# KiCad board BeavisUltrasoundPnp.kicad_pcb (continued)
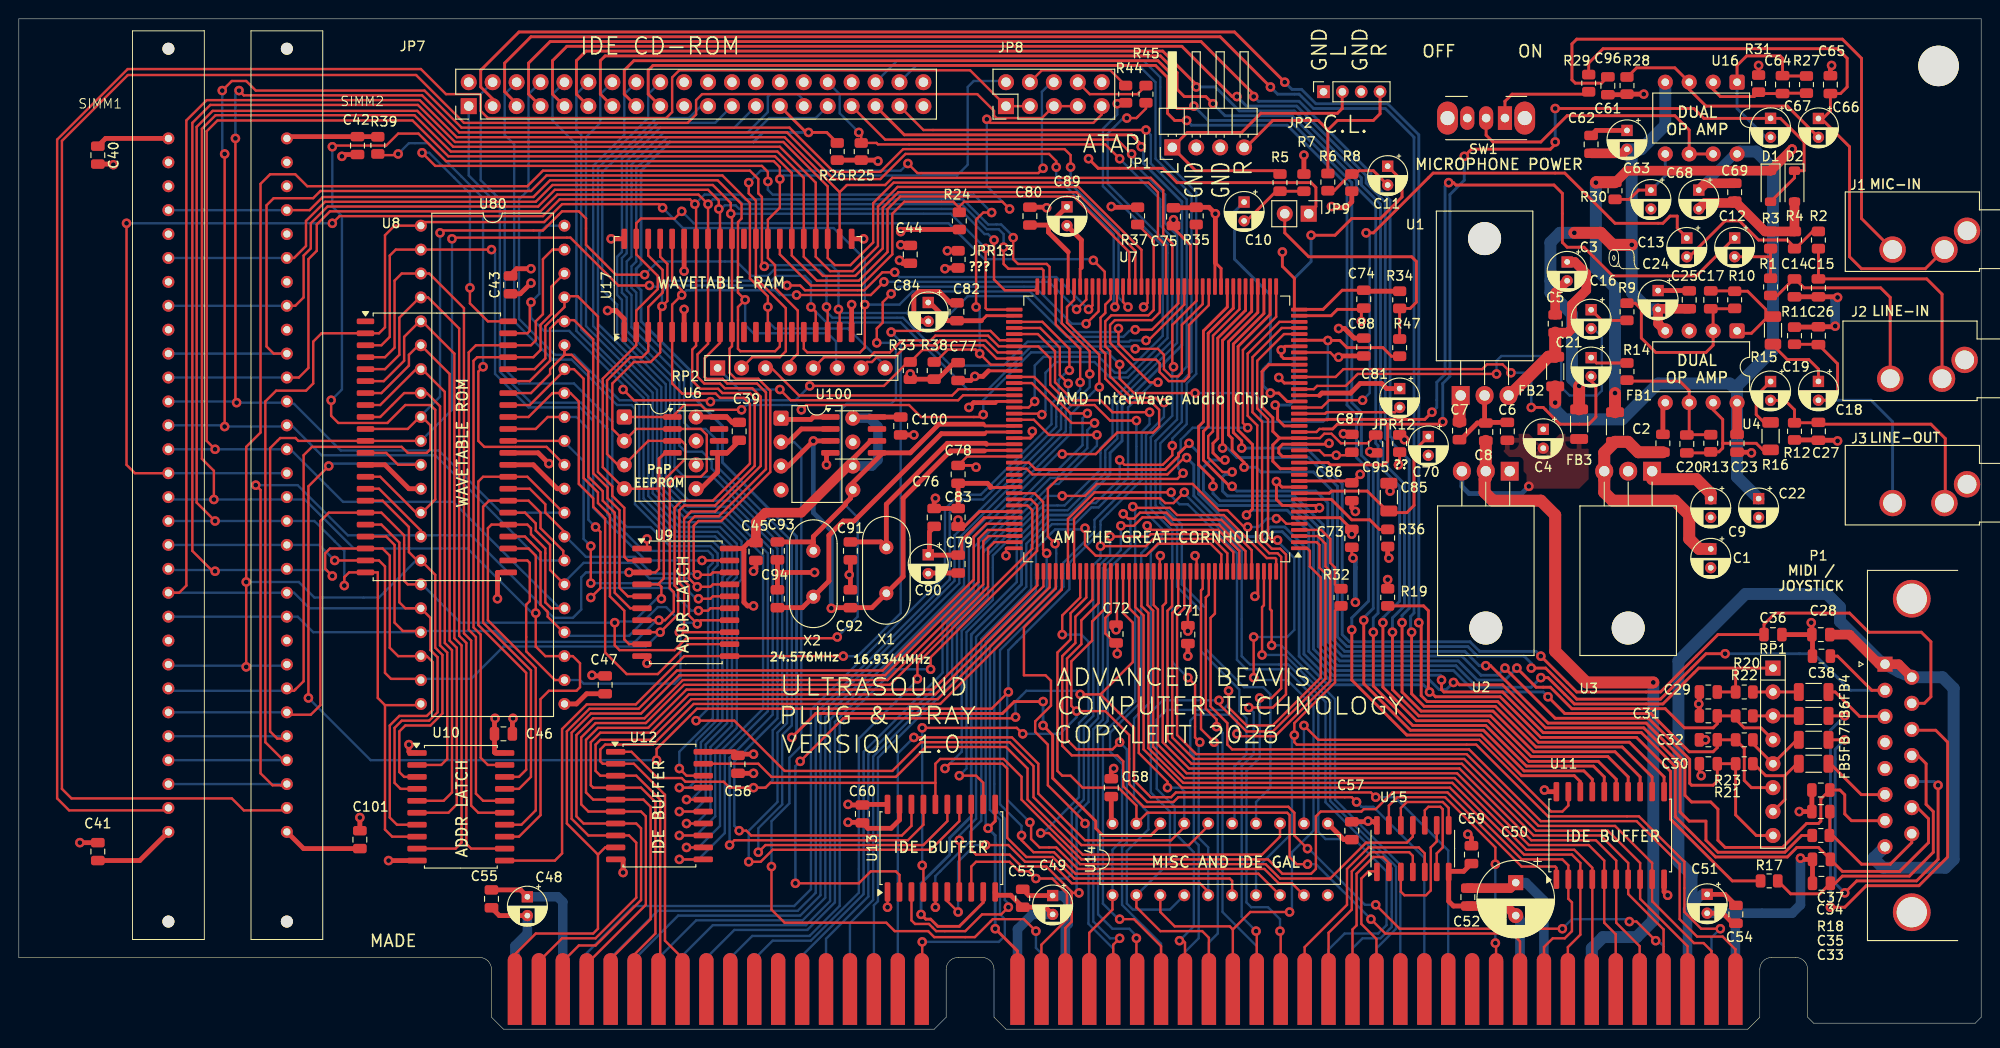
[diagram p0: board, top side]
## Footprints (pads in the part's own frame, mm; a bottom-side part is the same pattern mirrored in y, then rotated) (continued)
PinSocket_1x04_P2.00mm_Vertical
  rect 1.35x1.35 hole 0.8: 1(0,0)
  round 1.35 hole 0.8: 2(0,-2) 3(0,-4) 4(0,-6)
PQFP-160_28x28mm_P0.65mm
  rrect 1.75x0.4 smd: 1(-15.125,12.675) 2(-15.125,12.025) 3(-15.125,11.375) 4(-15.125,10.725) 5(-15.125,10.075) 6(-15.125,9.425) 7(-15.125,8.775) 8(-15.125,8.125) 9(-15.125,7.475) 10(-15.125,6.825) 11(-15.125,6.175) 12(-15.125,5.525) 13(-15.125,4.875) 14(-15.125,4.225) 15(-15.125,3.575) 16(-15.125,2.925) 17(-15.125,2.275) 18(-15.125,1.625) 19(-15.125,0.975) 20(-15.125,0.325) 21(-15.125,-0.325) 22(-15.125,-0.975) 23(-15.125,-1.625) 24(-15.125,-2.275) 25(-15.125,-2.925) 26(-15.125,-3.575) 27(-15.125,-4.225) 28(-15.125,-4.875) 29(-15.125,-5.525) 30(-15.125,-6.175) 31(-15.125,-6.825) 32(-15.125,-7.475) 33(-15.125,-8.125) 34(-15.125,-8.775) 35(-15.125,-9.425) 36(-15.125,-10.075) 37(-15.125,-10.725) 38(-15.125,-11.375) 39(-15.125,-12.025) 40(-15.125,-12.675) 81(15.125,-12.675) 82(15.125,-12.025) 83(15.125,-11.375) 84(15.125,-10.725) 85(15.125,-10.075) 86(15.125,-9.425) 87(15.125,-8.775) 88(15.125,-8.125) 89(15.125,-7.475) 90(15.125,-6.825) 91(15.125,-6.175) 92(15.125,-5.525) 93(15.125,-4.875) 94(15.125,-4.225) 95(15.125,-3.575) 96(15.125,-2.925) 97(15.125,-2.275) 98(15.125,-1.625) 99(15.125,-0.975) 100(15.125,-0.325) 101(15.125,0.325) 102(15.125,0.975) 103(15.125,1.625) 104(15.125,2.275) 105(15.125,2.925) 106(15.125,3.575) 107(15.125,4.225) 108(15.125,4.875) 109(15.125,5.525) 110(15.125,6.175) 111(15.125,6.825) 112(15.125,7.475) 113(15.125,8.125) 114(15.125,8.775) 115(15.125,9.425) 116(15.125,10.075) 117(15.125,10.725) 118(15.125,11.375) 119(15.125,12.025) 120(15.125,12.675)
  rrect 0.4x1.75 smd: 41(-12.675,-15.125) 42(-12.025,-15.125) 43(-11.375,-15.125) 44(-10.725,-15.125) 45(-10.075,-15.125) 46(-9.425,-15.125) 47(-8.775,-15.125) 48(-8.125,-15.125) 49(-7.475,-15.125) 50(-6.825,-15.125) 51(-6.175,-15.125) 52(-5.525,-15.125) 53(-4.875,-15.125) 54(-4.225,-15.125) 55(-3.575,-15.125) 56(-2.925,-15.125) 57(-2.275,-15.125) 58(-1.625,-15.125) 59(-0.975,-15.125) 60(-0.325,-15.125) 61(0.325,-15.125) 62(0.975,-15.125) 63(1.625,-15.125) 64(2.275,-15.125) 65(2.925,-15.125) 66(3.575,-15.125) 67(4.225,-15.125) 68(4.875,-15.125) 69(5.525,-15.125) 70(6.175,-15.125) 71(6.825,-15.125) 72(7.475,-15.125) 73(8.125,-15.125) 74(8.775,-15.125) 75(9.425,-15.125) 76(10.075,-15.125) 77(10.725,-15.125) 78(11.375,-15.125) 79(12.025,-15.125) 80(12.675,-15.125) 121(12.675,15.125) 122(12.025,15.125) 123(11.375,15.125) 124(10.725,15.125) 125(10.075,15.125) 126(9.425,15.125) 127(8.775,15.125) 128(8.125,15.125) 129(7.475,15.125) 130(6.825,15.125) 131(6.175,15.125) 132(5.525,15.125) 133(4.875,15.125) 134(4.225,15.125) 135(3.575,15.125) 136(2.925,15.125) 137(2.275,15.125) 138(1.625,15.125) 139(0.975,15.125) 140(0.325,15.125) 141(-0.325,15.125) 142(-0.975,15.125) 143(-1.625,15.125) 144(-2.275,15.125) 145(-2.925,15.125) 146(-3.575,15.125) 147(-4.225,15.125) 148(-4.875,15.125) 149(-5.525,15.125) 150(-6.175,15.125) 151(-6.825,15.125) 152(-7.475,15.125) 153(-8.125,15.125) 154(-8.775,15.125) 155(-9.425,15.125) 156(-10.075,15.125) 157(-10.725,15.125) 158(-11.375,15.125) 159(-12.025,15.125) 160(-12.675,15.125)
R_0805_2012Metric
  rrect 1.025x1.4 smd: 1(-0.912,0) 2(0.912,0)
R_1206_3216Metric
  rrect 1.125x1.75 smd: 1(-1.462,0) 2(1.462,0)
R_Array_SIP8
  rect 1.6x1.6 hole 0.8: 1(0,0)
  round 1.6 hole 0.8: 2(2.54,0) 3(5.08,0) 4(7.62,0) 5(10.16,0) 6(12.7,0) 7(15.24,0) 8(17.78,0)
SIMM_SLOT1
  round 1.27 hole 2.286 unplated: (-9.525,0)
  round 1.27 hole 2.794 unplated: (83.185,0)
  round 1.27 hole 0.762: 1(0,0) 2(2.54,0) 3(5.08,0) 4(7.62,0) 5(10.16,0) 6(12.7,0) 7(15.24,0) 8(17.78,0) 9(20.32,0) 10(22.86,0) 11(25.4,0) 12(27.94,0) 13(30.48,0) 14(33.02,0) 15(35.56,0) 16(38.1,0) 17(40.64,0) 18(43.18,0) 19(45.72,0) 20(48.26,0) 21(50.8,0) 22(53.34,0) 23(55.88,0) 24(58.42,0) 25(60.96,0) 26(63.5,0) 27(66.04,0) 28(68.58,0) 29(71.12,0) 30(73.66,0)
SO-14_3.9x8.65mm_P1.27mm
  rrect 1.95x0.6 smd: 1(-2.475,3.81) 2(-2.475,2.54) 3(-2.475,1.27) 4(-2.475,0) 5(-2.475,-1.27) 6(-2.475,-2.54) 7(-2.475,-3.81) 8(2.475,-3.81) 9(2.475,-2.54) 10(2.475,-1.27) 11(2.475,0) 12(2.475,1.27) 13(2.475,2.54) 14(2.475,3.81)
SOIC-8_3.9x4.9mm_P1.27mm
  rrect 1.95x0.6 smd: 1(-2.475,1.905) 2(-2.475,0.635) 3(-2.475,-0.635) 4(-2.475,-1.905) 5(2.475,-1.905) 6(2.475,-0.635) 7(2.475,0.635) 8(2.475,1.905)
SOIC-20W_7.5x12.8mm_P1.27mm
  rrect 2.05x0.6 smd: 1(-4.65,5.715) 2(-4.65,4.445) 3(-4.65,3.175) 4(-4.65,1.905) 5(-4.65,0.635) 6(-4.65,-0.635) 7(-4.65,-1.905) 8(-4.65,-3.175) 9(-4.65,-4.445) 10(-4.65,-5.715) 11(4.65,-5.715) 12(4.65,-4.445) 13(4.65,-3.175) 14(4.65,-1.905) 15(4.65,-0.635) 16(4.65,0.635) 17(4.65,1.905) 18(4.65,3.175) 19(4.65,4.445) 20(4.65,5.715)
SOJ-40_10.16x26.1mm_P1.27mm
  rrect 2.15x0.6 smd: 1(-4.95,13.335) 2(-4.95,12.065) 3(-4.95,10.795) 4(-4.95,9.525) 5(-4.95,8.255) 6(-4.95,6.985) 7(-4.95,5.715) 8(-4.95,4.445) 9(-4.95,3.175) 10(-4.95,1.905) 11(-4.95,0.635) 12(-4.95,-0.635) 13(-4.95,-1.905) 14(-4.95,-3.175) 15(-4.95,-4.445) 16(-4.95,-5.715) 17(-4.95,-6.985) 18(-4.95,-8.255) 19(-4.95,-9.525) 20(-4.95,-10.795) 21(4.95,-10.795) 22(4.95,-9.525) 23(4.95,-8.255) 24(4.95,-6.985) 25(4.95,-5.715) 26(4.95,-4.445) 27(4.95,-3.175) 28(4.95,-1.905) 29(4.95,-0.635) 30(4.95,0.635) 31(4.95,1.905) 32(4.95,3.175) 33(4.95,4.445) 34(4.95,5.715) 35(4.95,6.985) 36(4.95,8.255) 37(4.95,9.525) 38(4.95,10.795) 39(4.95,12.065) 40(4.95,13.335)
SOP-44_13.3x28.2mm_P1.27mm
  rrect 1.85x0.6 smd: 1(-7.575,13.335) 2(-7.575,12.065) 3(-7.575,10.795) 4(-7.575,9.525) 5(-7.575,8.255) 6(-7.575,6.985) 7(-7.575,5.715) 8(-7.575,4.445) 9(-7.575,3.175) 10(-7.575,1.905) 11(-7.575,0.635) 12(-7.575,-0.635) 13(-7.575,-1.905) 14(-7.575,-3.175) 15(-7.575,-4.445) 16(-7.575,-5.715) 17(-7.575,-6.985) 18(-7.575,-8.255) 19(-7.575,-9.525) 20(-7.575,-10.795) 21(-7.575,-12.065) 22(-7.575,-13.335) 23(7.575,-13.335) 24(7.575,-12.065) 25(7.575,-10.795) 26(7.575,-9.525) 27(7.575,-8.255) 28(7.575,-6.985) 29(7.575,-5.715) 30(7.575,-4.445) 31(7.575,-3.175) 32(7.575,-1.905) 33(7.575,-0.635) 34(7.575,0.635) 35(7.575,1.905) 36(7.575,3.175) 37(7.575,4.445) 38(7.575,5.715) 39(7.575,6.985) 40(7.575,8.255) 41(7.575,9.525) 42(7.575,10.795) 43(7.575,12.065) 44(7.575,13.335)
SW_Slide_SPDT_Angled_CK_OS102011MA1Q
  oval 2.2x3.5 hole 1.5: (-2.1,0) (6.1,0)
  rect 1.5x2.5 hole 0.9: 1(0,0)
  oval 1.5x2.5 hole 0.9: 2(2,0) 3(4,0)
TO-220-3_Horizontal_TabDown
  round 3.5 hole 3.5 unplated: (2.54,16.66)
  rect 1.905x2 hole 1.1: 1(0,0)
  oval 1.905x2 hole 1.1: 2(2.54,0) 3(5.08,0)

## Nets
+5V: C28.2 C39.1 C40.1 C41.1 C42.1 C43.1 C44.1 C45.1 C46.1 C47.1 C48.1 C49.1 C51.1 C53.1 C54.1 C55.1 C56.1 C57.1 C58.1 C59.1 C60.1 C100.1 C101.1 J4.B3 J4.B29 J4.D16 JP9.1 P1.1 P1.8 P1.9 R24.1 R25.1 R26.1 R39.1 SIMM1.1 SIMM1.30 SIMM2.1 SIMM2.30 U6.8 U8.23 U8.33 U9.20 U10.20 U11.20 U12.20 U13.20 U14.20 U15.14 U17.1 U17.6 U17.20 U60.8 U80.22 U100.6 U100.8 U101.6 U101.8
+5VA: C71.1 C72.1 C73.1 C74.1 C75.1 C76.1 C77.1 C78.1 C79.1 C80.1 C81.1 C82.1 C83.1 C84.1 C86.1 C87.1 C88.1 C89.1 C90.1 D1.1 FB1.2 JPR12.1 JPR12.2 JPR13.1 JPR13.2 R19.1 R30.1 U7.6 U7.12 U7.17 U7.26 U7.33 U7.39 U7.55 U7.75 U7.82 U7.91 U7.105 U7.114 U7.115 U7.134 U7.146
+8V: C22.1 C23.2 C68.1 C69.1 FB2.2 U4.8 U16.8
+12V: C7.2 C9.1 C50.1 C52.1 J4.B9 U1.1 U3.1
-8V: C24.2 C25.2 C61.2 C62.2 FB3.1 U4.4 U16.4
-12V: C8.2 J4.B7 U2.2
GND: C1.2 C2.2 C3.2 C4.1 C5.2 C6.2 C7.1 C8.1 C9.2 C14.2 C15.2 C22.2 C23.1 C24.1 C25.1 C26.1 C27.1 C28.1 C29.1 C30.1 C31.1 C32.1 C33.1 C34.1 C35.1 C36.1 C37.1 C38.1 C39.2 C40.2 C41.2 C42.2 C43.2 C44.2 C45.2 C46.2 C47.2 C48.2 C49.2 C50.2 C51.2 C52.2 C53.2 C54.2 C55.2 C56.2 C57.2 C58.2 C59.2 C60.2 C61.1 C62.1 C63.2 C65.2 C68.2 C69.2 C70.2 C71.2 C72.2 C73.2 C74.2 C75.2 C76.2 C77.2 C78.2 C79.2 C80.2 C81.2 C82.2 C83.2 C84.2 C85.2 C86.2 C87.2 C88.2 C89.2 C90.2 C91.2 C92.2 C93.2 C94.2 C95.2 C96.1 C100.2 C101.2 D2.2 J1.S J2.S J3.S J4.B1 J4.B10 J4.B31 J4.D18 JP1.2 JP1.3 JP2.1 JP2.3 JP7.2 JP7.19 JP7.22 JP7.24 JP7.26 JP7.30 JP7.40 JP8.10 P1.0 P1.4 P1.5 R3.2 R4.1 R7.1 R8.1 R11.1 R12.1 R28.2 R31.2 R33.1 R34.1 R35.1 R36.1 R37.1 R38.1 SIMM1.9 SIMM1.22 SIMM2.9 SIMM2.22 U1.2 U2.1 U3.2 U4.3 U4.5 U6.5 U7.7 U7.8 U7.11 U7.16 U7.18 U7.23 U7.28 U7.32 U7.34 U7.40 U7.50 U7.51 U7.62 U7.73 U7.96 U7.102 U7.110 U7.120 U7.133 U7.141 U7.147 U7.157 U8.13 U8.32 U9.1 U9.10 U10.1 U10.10 U11.10 U12.10 U13.1 U13.10 U13.19 U14.10 U14.11 U15.7 U17.21 U17.35 U17.40 U60.5 U80.12 U80.31 U100.1 U100.4 U101.1 U101.4
/A0: J4.A31 U7.151 U13.11
/A1: J4.A30 U7.152 U13.8
/A2: J4.A29 U7.153 U13.13
/A3: J4.A28 U7.154 U14.1
/A4: J4.A27 U7.155
/A5: J4.A26 U7.156
/A6: J4.A25 U7.160
/A7: J4.A24 U7.1
/A8: J4.A23 U7.2 U14.2
/A9: J4.A22 U7.36 U14.3
/A10: J4.A21 U7.37
/A11: J4.A20 U7.38
/A12: J4.A19 U15.5
/A12_A15: U7.128 U15.11
/A13: J4.A18 U15.4
/A14: J4.A17 U15.2
/A15: J4.A16 U15.1
/AEN: J4.A11 U15.13
/ALE: JP7.28
/AUX2L: C10.1 U7.25
/AUX2R: C11.1 U7.21
/CLK: J4.B20
/DB0: J4.A9 U7.137 U11.2
/DB1: J4.A8 U7.138 U11.3
/DB2: J4.A7 U7.139 U11.4
/DB3: J4.A6 U7.140 U11.5
/DB4: J4.A5 U7.142 U11.6
/DB5: J4.A4 U7.143 U11.7
/DB6: J4.A3 U7.144 U11.8
/DB7: J4.A2 U7.145 U11.9
/DB8: J4.C11 U7.124 U12.2
/DB9: J4.C12 U7.123 U12.3
/DB10: J4.C13 U7.122 U12.4
/DB11: J4.C14 U7.121 U12.5
/DB12: J4.C15 U7.119 U12.6
/DB13: J4.C16 U7.118 U12.7
/DB14: J4.C17 U7.117 U12.8
/DB15: J4.C18 U7.116 U12.9
/DDACK: JP7.29 U13.14
/DDACK2: R35.2 U7.54 U13.6 U14.5
/DDRQ: JP7.21 U13.17
/DDRQ2: U7.41 U13.3
/DRQ0: J4.D9 U7.112
/DRQ1: J4.B18 U7.126
/DRQ3: J4.B16 U7.158
/DRQ5: J4.D11 U7.74
/DRQ6: J4.D13 U7.77
/DRQ7: J4.D15 U7.83
/EEPROM_CS: R47.2 U6.1 U7.35 U60.1
/I_A0: JP7.35 U13.9
/I_A1: JP7.33 U13.12
/I_A2: JP7.36 U13.7
/I_IOCHRDY: JP7.27 R26.2 U14.18
/IDB0: JP7.17 U11.18
/IDB1: JP7.15 U11.17
/IDB2: JP7.13 U11.16
/IDB3: JP7.11 U11.15
/IDB4: JP7.9 U11.14
/IDB5: JP7.7 U11.13
/IDB6: JP7.5 U11.12
/IDB7: JP7.3 U11.11
/IDB8: JP7.4 U12.18
/IDB9: JP7.6 U12.17
/IDB10: JP7.8 U12.16
/IDB11: JP7.10 U12.15
/IDB12: JP7.12 U12.14
/IDB13: JP7.14 U12.13
/IDB14: JP7.16 U12.12
/IDB15: JP7.18 U12.11
/IO_RDY: J4.A10 U7.129 U14.19
/IRQ2: J4.B4 U7.130
/IRQ3: J4.B25 U7.131
/IRQ4: J4.B24 U7.3
/IRQ5: J4.B23 U7.148
/IRQ6: J4.B22
/IRQ7: J4.B21 U7.149
/IRQ10: J4.D3 U7.5
/IRQ11: J4.D4 U7.99
/IRQ12: J4.D5 U7.93
/IRQ14: J4.D7
/IRQ15: J4.D6 U7.92
/IRQR: JP7.31 U13.15
/IRQR2: U7.60 U13.5
/ISA_RST: J4.B2 R32.2 U14.7
/LINEINL: C13.1 U7.24
/LINEINR: C12.1 U7.22
/LINEOUTL: C21.2 U7.29
/LINEOUTR: C16.2 U7.27
/LMA3: U8.9 U10.2 U80.8
/LMA4: U8.8 U10.5 U80.7
/LMA5: U8.7 U10.6 U80.6
/LMA6: U8.6 U10.9 U80.5
/LMA7: U8.5 U10.12 U80.4
/LMA8: U8.4 U10.15 U80.3
/LMA9: U8.42 U10.16 U80.41
/LMA10: U8.41 U10.19 U80.40
/LMA11: U8.40 U9.2 U80.39
/LMA12: U8.39 U9.5 U80.38
/LMA13: U8.38 U9.6 U80.37
/LMA14: U8.37 U9.9 U80.36
/LMA15: U8.36 U9.12 U80.35
/LMA16: U8.35 U9.15 U80.34
/LMA17: U8.34 U9.16 U80.33
/LMA18: U8.3 U9.19 U80.2
/MA0: SIMM1.4 SIMM2.4 U7.52 U8.2 U17.16 U80.1
/MA1: SIMM1.5 SIMM2.5 U7.53 U8.11 U17.17 U80.10
/MA2: SIMM1.7 SIMM2.7 U7.56 U8.10 U17.18 U80.9
/MA3: SIMM1.8 SIMM2.8 U7.57 U8.16 U10.3 U17.19 U80.15
/MA4: SIMM1.11 SIMM2.11 U7.58 U8.18 U10.4 U17.22 U80.17
/MA5: SIMM1.12 SIMM2.12 U7.59 U8.20 U10.7 U17.23 U80.19
/MA6: SIMM1.14 SIMM2.14 U7.63 U8.22 U10.8 U17.24 U80.21
/MA7: SIMM1.15 SIMM2.15 U7.64 U8.25 U10.13 U17.25 U80.24
/MA8: SIMM1.17 SIMM2.17 U7.65 U8.27 U10.14 U17.26 U80.26
/MA9: SIMM1.18 SIMM2.18 U7.66 U8.29 U10.17 U80.28
/MA10: SIMM1.19 SIMM2.19 U7.67 U8.31 U10.18 U80.30
/MIC: C67.1 D1.2 D2.1 U7.15 U7.20
/MIDI_IN: R18.1 U7.106
/MIDI_OUT: R17.1 R19.2 U7.107
/OSC1: C93.1 U7.100 U100.5 U101.5 X2.2
/OSC2: C92.1 U7.104 U100.3 U101.3 X1.1
/OSC_14M318: J4.B30 U100.2 U101.2
/RA20: R33.2 U7.89 U8.43 U80.42
/RA21: R38.2 U7.90 U8.44
/RD0: SIMM1.3 SIMM2.3 U6.4 U7.69 U8.15 U9.3 U17.2 U17.39 U60.4 U80.14
/RD1: SIMM1.6 SIMM2.6 U6.3 U7.70 U8.17 U9.4 U17.3 U17.38 U60.3 U80.16
/RD2: SIMM1.10 SIMM2.10 U6.2 U7.71 U8.19 U9.7 U17.4 U17.37 U60.2 U80.18
/RD3: SIMM1.13 SIMM2.13 U7.72 U8.21 U9.8 U17.5 U17.36 U80.20
/RD4: SIMM1.16 SIMM2.16 U7.78 U8.24 U9.13 U17.7 U17.34 U80.23
/RD5: SIMM1.20 SIMM2.20 U7.79 U8.26 U9.14 U17.8 U17.33 U80.25
/RD6: SIMM1.23 SIMM2.23 U7.80 U8.28 U9.17 U17.9 U17.32 U80.27
/RD7: SIMM1.25 SIMM2.25 U7.81 U8.30 U9.18 U17.10 U17.31 U80.29
/RST: R32.1 U7.4
/TC: J4.B27 U7.125
/X1: C29.2 R20.1 RP1.1 U7.49
/X2: C31.2 R22.1 RP1.4 U7.47
/Y1: C30.2 R21.1 RP1.8 U7.48
/Y2: C32.2 R23.1 RP1.6 U7.46
/~{BKSEL0R}: JP8.2 RP2.4 U8.14 U17.28 U80.13
/~{BKSEL0}: RP2.3 U7.94
/~{BKSEL1R}: JP8.6 RP2.2 U17.29
/~{BKSEL1}: RP2.1 U7.95
/~{BKSEL2R}: JP8.4 R44.1
/~{BKSEL2}: R44.2 U7.97
/~{BKSEL3R}: JP8.8 R45.1
/~{BKSEL3}: R45.2 U7.98
/~{BUF_ENH}: U12.19 U14.13
/~{BUF_EN}: U11.19 U14.12
/~{BUT1}: C38.2 P1.2 U7.45
/~{BUT2}: C37.2 P1.7 U7.44
/~{BUT3}: C36.2 P1.10 U7.43
/~{BUT4}: C35.2 P1.14 U7.42
/~{DACK0}: J4.D8 U7.113
/~{DACK1}: J4.B17 U7.127
/~{DACK2}: J4.B26
/~{DACK3}: J4.B15 U7.159
/~{DACK5}: J4.D10 U7.68
/~{DACK6}: J4.D12 U7.76
/~{DACK7}: J4.D14 U7.84
/~{EX_CS}: R37.2 U7.61 U14.4
/~{I_IOR}: JP7.25 U11.1 U12.1 U13.16
/~{I_IOW}: JP7.23 U13.18
/~{IDE_ACT}: JP7.39
/~{IDE_CS0}: JP7.37 U14.15
/~{IDE_CS1}: JP7.38 U14.14
/~{IDE_RST}: JP7.1 U14.16
/~{IIOCS16}: J4.D2 U7.136 U14.17
/~{IO_CHCK}: J4.A1 U7.150
/~{IOCS16}: JP7.32 R25.2 U14.6
/~{IOR}: J4.B14 U7.132 U13.4
/~{IOW}: J4.B13 U7.135 U13.2
/~{RAHLD}: U7.86 U9.11 U10.11
/~{RAM1_OE}: JP8.9 R24.2 U17.27
/~{RASR}: RP2.6 SIMM1.27 SIMM2.27 U17.14
/~{RAS}: RP2.5 U7.87 U14.8
/~{REFRESH}: J4.B19
/~{ROMCS}: U7.85 U8.12 U14.9 U80.11
/~{SBHE}: J4.C1 U7.111
/~{SIMM1_CAS}: JP8.1 JP8.3 SIMM1.2
/~{SIMM2_CAS}: JP8.5 JP8.7 SIMM2.2
/~{SMEMR}: J4.B12
/~{SMEMW}: J4.B11
/~{WE_R}: RP2.8 SIMM1.21 SIMM2.21 U17.13
/~{WE}: RP2.7 U7.88
Net-(C10-Pad2): C10.2 R5.1 R7.2
Net-(C11-Pad2): C11.2 R6.1 R8.2
Net-(C12-Pad2): C12.2 R1.2 R3.1
Net-(C13-Pad2): C13.2 R2.2 R4.2
Net-(C14-Pad1): C14.1 J2.R R1.1
Net-(C15-Pad1): C15.1 J2.T R2.1
Net-(C16-Pad1): C16.1 R9.2
Net-(C17-Pad1): C17.1 R10.1 R15.2 U4.1
Net-(C18-Pad1): C18.1 R15.1
Net-(C18-Pad2): C18.2 C26.2 J3.R R11.2
Net-(C19-Pad1): C19.1 R16.1
Net-(C19-Pad2): C19.2 C27.2 J3.T R12.2
Net-(C20-Pad1): C20.1 R13.1 R16.2 U4.7
Net-(C21-Pad1): C21.1 R14.2
Net-(C64-Pad1): C64.1 C67.2 R27.1 U16.1
Net-(C65-Pad1): C65.1 C66.1 J1.T R29.1
Net-(C96-Pad2): C96.2 J1.R
Net-(FB4-Pad1): FB4.1 P1.3
Net-(FB5-Pad1): FB5.1 P1.6
Net-(JP1-Pin_1): JP1.1 JP2.2 R5.2
Net-(JP1-Pin_4): JP1.4 JP2.4 R6.2
Net-(JP9-B): JP9.2 R34.2 R47.1
Net-(P1-P12): C33.2 P1.12 R17.2
Net-(P1-P13): FB7.1 P1.13
Net-(P1-P15): C34.2 P1.15 R18.2
Net-(P1-P111): FB6.1 P1.11
Net-(RP1A-R1.2): FB4.2 R20.2 RP1.2
Net-(RP1B-R2.1): FB6.2 R22.2 RP1.3
Net-(RP1C-R3.1): FB7.2 R23.2 RP1.5
Net-(RP1D-R4.1): FB5.2 R21.2 RP1.7
Net-(SW1-A): R29.2 SW1.1
Net-(SW1-B): SW1.2 U16.6 U16.7
Net-(U1-VO): C3.1 C5.1 FB2.1 U1.3
Net-(U2-VO): C4.2 C6.1 FB3.2 U2.3
Net-(U3-VO): C1.1 C2.1 FB1.1 U3.3
Net-(U4A--): C17.2 R9.1 R10.2 U4.2
Net-(U4B--): C20.2 R13.2 R14.1 U4.6
Net-(U7-AUX1L): C95.1 U7.14 U7.19 U7.31
Net-(U7-CFILT): C70.1 C85.1 U7.10
Net-(U7-IREF): R36.2 U7.9
Net-(U7-XTAL1O): C94.1 U7.101 X2.1
Net-(U7-XTAL2O): C91.1 U7.103 X1.2
Net-(U15-Pad3): U15.3 U15.9
Net-(U15-Pad10): U15.6 U15.10
Net-(U15-Pad12): U15.8 U15.12
Net-(U16A-+): C66.2 R28.1 U16.3
Net-(U16A--): C64.2 R27.2 R31.1 U16.2
Net-(U16B-+): C63.1 R30.2 U16.5
Net-(U80-~{BYTE}/VPP): R39.2 U80.32

Pads without a net: J4 A12 A13 A14 A15 B5 B6 B8 B28 C2 C3 C4 C5 C6 C7 C8 C9 C10 D1 D17; JP7 20 34; SIMM1 24 26 28 29; SIMM2 24 26 28 29; SW1 3; U6 6 7; U7 13 30 108 109; U8 1; U17 11 12 15 30; U60 6 7; U100 7; U101 7

## Via types
v1: diameter 1.016, hole 0.508, Top to Bottom, 407 vias

## Routing (per net, layer and track width the routed paths; a pad name or vN(x,y) marks a point on that pad's centre or on a via; arc(x,y) is an arc through that point)
+5V: length 322.4
  Top w0.305: JP9.1 137.67,87.38 137.67,89.41 137.16,89.92 122.94,89.92 121.41,91.44 114.55,91.44 v1(113.54,92.46)
  Top w0.508: C49.1 107.21,14.19 C53.1 ; 76.33,64.45 75.71,64.45 75.13,65.02 U6.8 ; C55.1 53.25,14.79 C48.1 ; v1(91.19,92.2) 91.08,92.31 R26.1 ; C44.1 93.79,81.35 v1(93.47,81.66) ; U8.33 55.12,61.21 v1(56.26,60.07) ; U101.6 90.42,62.48 88.52,60.58 U100.6 ; U8.23 50.8,48.51 v1(50.8,45.72) ; U17.20 v1(88.39,76.96) ; SIMM1.30 9.21,94.61 C40.1 ; U13.20 89.6,23.88 C60.1 88.08,23.81 v1(88.01,23.88) ; C41.1 12.83,17.91 SIMM1.1 ; U100.8 88.64,65.02 C100.1 ; C54.1 181.07,14.32 C51.1 ; U9.20 76.83,51.05 ; 76.83,51.05 76.96,50.93 76.96,45.34 77.34,44.96 v1(77.98,44.96) ; 76.83,51.05 77.47,51.68 78.11,51.68 ; v1(50.55,33.02) 50.48,32.96 C46.1 50.48,29.4 50.55,29.34 51.56,29.34 ; v1(54.36,79.25) 53.22,78.11 C43.1 ; U12.20 75.94,29.46 C56.1 76.46,29.21 v1(77.98,29.21) ; SIMM2.1 30.22,19.18 C101.1 ; v1(153.8,20.7) 154.18,20.32 C59.1 ; U14.20 115.95,21.97 C58.1 ; U17.6 v1(70.61,76.45) ; v1(93.6,84.71) 93.83,84.94 R24.1 ; C47.1 60.26,35.63 59.18,34.54 U80.22 ; v1(62.48,76.33) 63.37,76.33 64.26,75.44 U17.1 ; 144.14,21.72 143.83,22.03 143.27,22.03 v1(143.21,22.1) 143.14,22.03 C57.1 ; v1(161.93,25.4) 162.1,25.22 U11.20 ; SIMM2.30 28.64,94.8 C42.1 38.09,94.8 R39.1
  Top w1.016: C45.1 78.23,53.85 79.25,54.86 83.06,54.86 88.27,60.07 ; C28.2 194.31,41.91 197.45,38.76 P1.1 199.53,38.76 P1.9
  Bottom w1.016: U100.8 90.3,64.9 91.19,64.01 91.19,60.45 90.55,59.82 U100.6 ; C48.1 57.18,14.06 57.73,13.51 J4.D16 ; J4.B29 111.07,10.87 111.38,11.18 111.38,13.59 110.78,14.19 C49.1 ; J4.B3 177.11,12.78 178.66,14.32 C51.1
  Bottom w1.27: 177.86,13.53 177.55,13.84 177.55,16.38 176.15,17.78 176.15,39.12 183.26,46.23 191.9,46.23 193.29,44.83 193.29,43.31 197.84,38.76 P1.1 199.53,37.97 P1.9 204.17,37.38 205.36,36.19 205.36,18.03 204.47,17.14 197.87,17.14 196.91,18.1 196.91,18.22 196.92,18.22 198.07,19.38
+5VA: length 179.4
  Top w0.254: U7.134 116.55,43.01 C72.1 v1(116.46,42.42) ; v1(124.08,42.29) C71.1 124.08,44.2 124.35,44.47 U7.146 ; C78.1 100.65,60.83 U7.105 ; U7.33 139.19,71.88 139.7,71.37 v1(140.08,71.37) ; C87.1 141.16,60.96 v1(139.83,60.96) 138.56,60.96 138.04,61.48 135.9,61.48
  Top w0.305: 146.56,63.12 v1(147.07,62.61) ; 105.64,75.78 102.7,75.78 102.17,75.25 ; C78.1 101.41,59.88 v1(101.6,59.69) ; v1(141.48,52.58) 141.48,53.08 140.23,54.33 U7.6 ; U7.55 124.35,83.29 122.55,85.09 C75.1 v1(122.55,85.98) ; v1(146.43,59.94) 146.56,60.07 JPR12.1 ; 135.9,67.34 135.93,67.31 138.05,67.31 ; C79.1 100.08,50.73 100.08,51.94 102.46,54.33 U7.115 ; v1(142.49,75.18) 142.49,76.33 C74.1 142.62,76.45 139.95,76.45 139.28,75.78 U7.39 ; 99.82,53.34 100.33,53.34 101.97,54.98 105.65,54.98 ; 98.38,80.85 v1(98.3,80.77) ; v1(142.37,58.93) 141.48,58.04 C86.1 141.28,58.23 U7.12 ; 111.34,78.88 111.38,78.91 111.38,82.55 ; R19.1 v1(145.29,47.75) ; U7.91 102.92,69.93 ; JPR13.2 v1(98.55,82.68)
  Top w0.508: v1(140.08,71.37) 140.21,71.51 C88.1 ; 109.29,85.41 109.29,84.64 111.38,82.55 ; 109.29,85.41 111.22,87.34 C89.1 ; 109.29,85.41 C80.1 ; C84.1 96.68,77.18 98.61,75.25 C82.1 102.17,75.25 ; 102.92,69.93 102.33,69.34 v1(101.47,69.34) 101.03,68.9 C77.1 ; 138.05,67.31 138.3,67.56 141.35,67.56 142.37,68.58 144.65,68.58 145.19,68.04 C81.1 ; C79.1 96.55,50.35 C90.1 96.65,50.51 96.65,52.83 97.15,53.34 C76.1 ; C83.1 99.7,54.07 v1(99.69,54.08) ; JPR13.1 98.38,80.85
  Top w1.016: R30.1 169.46,89.96 170.69,91.19 185.93,91.19 D1.1 188.21,93.47 v1(188.21,93.47)
  Top w1.27: v1(167.39,89.92) 167.43,89.96 R30.1 ; FB1.2 v1(169.42,67.56)
  Bottom w1.27: v1(167.39,89.92) 167.39,80.77 169.42,78.74 v1(169.42,67.56)
+8V: length 79.5
  Top w1.016: U4.8 C23.2 ; C69.1 179.04,89.85 C68.1
  Top w1.27: FB2.2 v1(163.07,66.55)
  Bottom w1.016: C68.1 178.31,89.15 182.12,92.96 U16.8
  Bottom w1.27: U16.8 182.63,93.22 184.4,93.22 186.18,91.44 186.18,72.14 182.37,68.33 182.37,67.82 ; 182.37,67.82 181.61,68.58 173.99,68.58 170.18,64.77 164.08,64.77 163.07,65.79 v1(163.07,66.55) ; 182.37,67.82 U4.8 182.37,58.64 C22.1
+12V: length 29.1
  Top w1.016: C52.1 158.29,14.98 C50.1
  Top w1.27: 173.36,58.42 178.05,58.42 179.58,56.9 C9.1 ; C7.2 152.91,67.18 U1.1
  Bottom w1.016: C50.1 159.95,15.56 161.87,13.64 J4.B9
-8V: length 67.2
  Top w1.016: C61.2 170.26,93.03 C62.2 ; C25.2 174.06,76.52 C24.2 173.99,74.93 U4.4
  Top w1.27: v1(171.2,83.31) 169.16,83.31 167.89,84.58 v1(165.1,84.58) ; FB3.1 v1(165.61,68.33)
  Bottom w1.27: C24.2 172.97,76.45 171.2,78.23 v1(171.2,83.31) 171.2,92.95 C61.2 172.2,93.46 174.75,96.01 U16.4 ; v1(165.61,68.33) 164.85,69.09 164.85,75.95 162.56,78.23 162.56,83.57 163.58,84.58 v1(165.1,84.58)
-12V: length 78
  Top w1.27: C8.2 155.7,58.55 155.57,58.42 155.57,57.02 156.46,56.13 161.54,56.13 163.07,54.61 163.07,40.13 166.37,36.83 v1(173.48,36.83)
  Bottom w1.27: J4.B7 166.95,8.59 168.15,9.78 171.7,9.78 173.48,11.56 v1(173.48,36.83)
GND: length 413.9
  Top w0.254: U7.141 121.1,50.11 121.16,50.16 ; U7.23 138.66,65.38 138.81,65.53 146.05,65.53 C81.2 ; U9.1 66.67,51.05 v1(66.67,52.07) ; v1(124.84,50.29) 125,50.13 U7.147 ; U7.62 119.8,77.13 v1(119.38,76.71) ; v1(116.59,39.88) 116.59,40.89 C72.2 116.33,41.02 115.32,42.04 115.32,43.69 115.9,44.27 U7.133 ; U13.1 v1(92.2,12.95) ; v1(104.77,50.29) 104.77,51.05 104.8,51.08 U7.120 ; C87.2 140.65,63.18 v1(140.59,63.25)
  Top w0.305: U7.157 131.5,46.28 v1(131.19,45.97) ; U7.50 127.6,80.8 127,81.41 126.95,81.36 U7.51 ; U7.34 134.38,72.53 v1(133.99,72.14) 133.99,71.5 134.26,71.23 U7.32 ; 112.78,80.9 112.65,80.77 U7.73 ; v1(145.54,57.15) 145.42,57.28 C85.2 ; C32.1 v1(179.02,30.73) ; 103.12,57.53 105.61,57.53 105.65,57.57 ; v1(178.56,26.92) 178.37,27.11 C30.1 ; v1(139.06,62.23) 138.96,62.13 U7.18 134.14,62.13 133.73,61.72 133.73,61.21 134.11,60.83 135.9,60.83 U7.16 ; 135.9,54.98 137.66,54.98 v1(138.05,55.37) 137.79,55.63 U7.8 134.11,55.63 133.48,56.26 v1(133.48,58.17) 134.06,57.58 U7.11 ; U7.28 134.32,68.63 v1(133.73,69.21) ; U7.96 103.76,66.68 103.63,66.55 ; U7.102 107.36,62.78 107.57,62.99 v1(107.57,63.5) ; v1(134.11,82.55) 134.11,81.03 135.38,79.76 135.38,76.45 138.43,76.45 140.46,78.49 C74.2 ; v1(141.61,50.04) 141.48,50.16 C73.2 ; R31.2 v1(184.66,102.36)
  Top w0.508: C46.2 52.39,32.95 v1(52.45,33.02) ; C57.2 140.65,20.13 U14.11 ; v1(97.28,56.39) 97.15,56.26 C76.2 99.63,55.31 99.7,55.37 C78.2 102.8,57.98 103.12,57.66 103.12,57.53 ; v1(54.36,80.77) 52.83,80.77 52.2,80.14 C43.2 ; C8.1 155.57,64.51 U1.2 ; C8.1 154.81,64.38 153.04,62.62 C7.1 ; C8.1 155.77,64.45 C6.2 ; U4.5 174.5,66.29 C2.2 ; C62.1 167.41,95.46 C61.1 ; C55.2 50.99,12.06 C48.2 ; C77.2 99.28,70.8 97.52,69.04 R38.1 R33.1 v1(94.61,69.6) ; v1(140.08,74.42) 140.72,74.42 141.73,73.41 C88.2 ; v1(139.32,87.38) 139.45,87.25 140.84,87.25 141.48,87.88 R8.1 ; C59.2 153.35,16.77 151.76,16.77 151.76,13.59 152.27,13.08 153.8,13.08 ; C71.2 v1(124.08,39.62) ; C23.1 183.83,61.28 v1(183.9,61.21) ; R11.1 190.97,74.57 C26.1 192.72,74.61 v1(192.79,74.68) ; C91.2 C92.2 ; C58.2 115.95,27.43 v1(116.2,27.69) ; U8.32 54.61,59.94 57.15,57.4 U80.31 ; C47.2 60.9,37.53 v1(60.83,37.59) ; C28.1 190.31,43.11 v1(190.25,43.18) ; C28.1 190.38,41.84 C38.1 ; C28.1 C36.1 ; U100.1 81.03,64.77 84.07,64.77 84.33,65.02 U101.1 ; v1(10.03,91.82) 9.97,91.89 C40.2 ; U80.12 41.4,57.4 38.86,59.94 U8.13 ; U17.40 v1(62.86,83.95) ; 127,81.41 v1(127,86.61) 126.32,87.3 R35.1 124.92,87.25 C75.2 ; v1(77.98,48.64) 78.23,48.89 C45.2 ; v1(193.04,62.48) 192.97,62.55 C27.1 190.97,62.59 R12.1 ; v1(193.04,77.72) 192.97,77.79 C15.2 C14.2 ; v1(93.6,83.31) 93.67,83.25 C44.2 ; 76.33,62.55 76.33,62.36 75.18,61.21 74.17,61.21 74.17,59.18 72.39,57.4 U6.5 ; v1(115.95,87.38) 116.03,87.3 R37.1 ; C25.1 177.26,78.45 C24.1 ; U13.10 103.63,14.48 103.89,14.22 105.28,14.22 C53.2 108.97,12.95 C49.2 ; C29.1 178.37,34.61 v1(178.31,34.54) 178.37,34.48 C31.1 ; C80.2 109.03,87.31 v1(109.09,87.25) ; 80.52,48.51 C93.2 ; 80.52,48.51 C94.2 ; 80.52,48.51 v1(84.45,48.51) ; C86.2 141.48,55.37 v1(141.86,54.99) ; 175.13,14.1 v1(175.01,14.22) 174.62,14.6 174.62,15.92 ; 112.78,80.9 112.78,83.82 C89.2 ; C95.2 143.51,61.21 v1(143.38,61.34) ; R7.1 v1(136.4,92.84) ; v1(188.98,23.11) C34.1 C37.1 ; v1(88.01,21.97) 89.47,21.97 C60.2 90.11,21.34 92.58,21.34 93.47,22.22 U13.19 ; v1(85.72,59.94) 85.72,60.96 85.98,61.21 U101.4 ; U17.21 v1(89.66,83.95) ; v1(100.84,66.04) 101.35,66.55 103.63,66.55 ; v1(189.1,18.16) 189.23,18.03 C35.1 C33.1 ; R34.1 142.85,78.38 C74.2 ; C54.2 181.93,11.24 180.85,12.32 C51.2 ; C84.2 95.89,75.18 95,76.07 95,77.85 95.5,78.36 97.66,78.36 98.87,77.15 C82.2 ; U17.35 v1(70.61,80.52) ; v1(41.4,30.23) 41.4,29.46 41.53,29.34 42.26,29.34 ; C90.2 96.59,48.45 C79.2 ; C101.2 v1(36.19,22.48) ; C65.2 192.28,102.23 v1(192.4,102.36) ; 93.6,63.12 v1(95,63.12) ; U12.10 64.14,18.03 v1(64.14,16.64) ; C41.2 v1(6.48,19.81) ; C96.1 170.63,99.26 R28.2 v1(172.47,99.31) ; v1(34.29,92.71) 34.48,92.9 C42.2 ; U9.10 66.67,39.62 v1(66.67,38.86) ; C56.2 v1(77.98,27.18) ; 42.26,17.91 v1(39.24,17.91) ; v1(145.42,50.04) 145.29,50.16 R36.1
  Top w1.016: D2.2 R4.1 R3.2 185.34,84.73 C69.2 181.93,87.76 178.94,87.76 C68.2 ; C5.2 163.07,78.22 C3.2 ; 153.8,13.08 157.86,13.08 C50.2
  Bottom w0.508: v1(141.61,50.04) 141.86,49.78 v1(141.86,45.34)
  Bottom w1.016: J4.B1 182.19,11.61 181.48,12.32 ; 181.48,12.32 179.7,12.32 ; 181.48,12.32 188.21,12.32 189.1,13.21 v1(189.1,18.16) ; C48.2 53.97,10.16 52.65,8.84 J4.D18 ; C50.2 159.33,11.61 J4.B10 ; v1(192.79,74.68) 192.79,77.47 v1(193.04,77.72) ; C49.2 107.57,12.19 105.99,10.62 J4.B31
  vias: v1(88.14,48.26) v1(121.16,50.29)
/A0: length 79.3
  Top w0.254: v1(113.16,53.21) 113.16,51.43 114.3,50.29 119.63,50.29 120.9,51.56 126.49,51.56 127.64,50.42 127.64,48.66 U7.151
  Top w0.305: v1(102.87,21.34) 103.63,22.1 U13.11 ; J4.A31 105.99,8.31 v1(103.63,10.67)
  Bottom w0.254: v1(113.16,53.21) 113.03,53.09 109.98,53.09 107.95,51.05 107.95,46.48 102.62,41.15 102.62,21.59 v1(102.87,21.34)
  Bottom w0.305: v1(102.87,21.34) 103.63,20.57 v1(103.63,10.67)
/A1: length 82.5
  Top w0.254: U13.8 101.09,17.27 101.6,17.78 105.16,17.78 106.17,16.76 107.19,16.76 v1(107.95,16) 109.68,16 111.25,14.43 111.25,11.68 108.53,8.97 J4.A30 ; U7.152 128.27,48.65 128.27,50.55 126.75,52.07 120.4,52.07 119.63,51.31 v1(114.81,51.31)
  Bottom w0.254: v1(114.81,51.31) 114.81,50.04 114.05,49.28 114.05,33.27 113.03,32.26 113.03,24.38 111.76,23.11 111.76,16.51 111.25,16 v1(107.95,16)
/A2: length 84.5
  Top w0.254: v1(115.82,52.32) 119.89,52.32 120.14,52.58 127,52.58 128.9,50.68 U7.153 ; U13.13 101.09,19.05 101.6,18.54 105.16,18.54 106.43,17.27 109.07,17.27 111.76,14.58 111.76,14.48 ; 111.76,14.48 v1(112.52,14.48) ; 111.76,14.48 111.76,11.43 111.07,10.74 J4.A29
  Bottom w0.254: v1(112.52,14.48) 112.52,14.73 112.27,14.99 112.27,22.86 113.54,24.13 113.54,32 114.55,33.02 114.55,49.14 115.82,50.41 v1(115.82,52.32)
/A3: length 66.3
  Top w0.254: v1(119.76,53.47) 120.19,53.04 127.29,53.04 129.54,50.79 129.54,48.64 U7.154 ; U14.1 116.08,12.7 113.61,10.24 J4.A28
  Bottom w0.254: v1(119.76,53.47) 119.76,51.18 119.13,50.55 119.13,34.8 115.82,31.5 115.82,29.46 117.14,28.14 117.14,27.56 117.09,27.51 117.09,20.07 116.08,19.05 U14.1
/A4: length 70.1
  Top w0.254: v1(116.84,9.65) 116.15,8.97 J4.A27 ; v1(116.97,53.47) 118.36,53.47 119.25,54.36 121.54,54.36 122.3,53.59 127.38,53.59 130.2,50.77 U7.155
  Bottom w0.254: v1(116.97,53.47) 116.97,50.9 115.06,49 115.06,32.88 114.05,31.87 114.05,11.43 115.82,9.65 v1(116.84,9.65)
/A5: length 73.4
  Top w0.254: v1(117.22,54.74) 117.73,54.23 118.36,54.23 119,54.86 121.79,54.86 122.55,54.1 127.64,54.1 130.85,50.88 U7.156 ; v1(118.62,9.65) 118.62,3.96 J4.A26
  Bottom w0.254: v1(118.62,9.65) 118.62,9.91 117.86,10.67 116.08,10.67 114.55,12.19 114.55,31.73 115.57,32.74 115.57,48.77 117.98,51.18 117.98,53.97 v1(117.22,54.74)
/A6: length 75.7
  Top w0.254: 118.36,55.37 122.17,55.37 122.94,54.61 127.89,54.61 132.46,50.04 133.35,50.04 133.45,49.94 U7.160 ; 118.36,55.37 v1(118.24,55.5) 118.36,55.37 ; J4.A25 121.23,8.81 118.36,11.68 v1(116.84,11.68)
  Bottom w0.254: v1(116.84,11.68) 116.71,11.68 115.06,13.33 115.06,31.38 118.49,34.81 118.49,55.24 v1(118.24,55.5)
/A7: length 71.1
  Top w0.254: v1(128.4,35.94) 128.4,34.17 130.31,32.26 133.08,32.26 138.18,37.35 138.18,48.01 137.03,49.15 137.03,50.8 136.75,51.08 U7.1 ; v1(123.19,9.4) 123.57,9.4 123.77,9.19 J4.A24
  Bottom w0.254: v1(128.4,35.94) 128.4,34.54 127.76,33.91 121.79,33.91 120.78,32.89 120.78,25.53 122.68,23.62 122.68,20.83 124.71,18.8 124.71,10.92 v1(123.19,9.4)
/A8: length 77.6
  Top w0.254: U7.2 137.75,51.73 138.05,51.43 138.05,49.02 138.68,48.39 138.68,37.21 133.1,31.62 130.3,31.62 127.38,34.54 v1(127.38,34.92) ; U14.2 118.62,12.95 121.16,10.41 125.6,10.41 126.31,9.7 J4.A23
  Bottom w0.254: U14.2 122.17,17.78 122.17,23.11 120.14,25.15 120.14,33.65 121.41,34.92 v1(127.38,34.92)
/A9: length 99.5
  Top w0.254: v1(134.87,12.45) 130.71,12.45 128.85,10.59 ; U7.36 134.28,73.83 131.44,70.99 131.44,65.91 132.59,64.77 132.59,52.32 133.1,51.82 133.48,51.82 v1(133.6,51.94) ; U14.3 121.16,12.45 122.68,10.92 128.52,10.92 128.85,10.59 ; 128.85,10.59 J4.A22 ; v1(131.06,37.34) v1(131.06,41.66)
  Bottom w0.254: v1(131.06,41.66) 134.62,41.66 135.38,42.42 135.38,50.04 133.6,51.82 v1(133.6,51.94) ; v1(134.87,12.45) 135.13,12.7 135.13,18.8 137.41,21.08 137.41,34.29 134.62,37.08 131.32,37.08 v1(131.06,37.34)
